# KiCad board poly_kb_molecule_5x4_wave.kicad_pcb (continued)
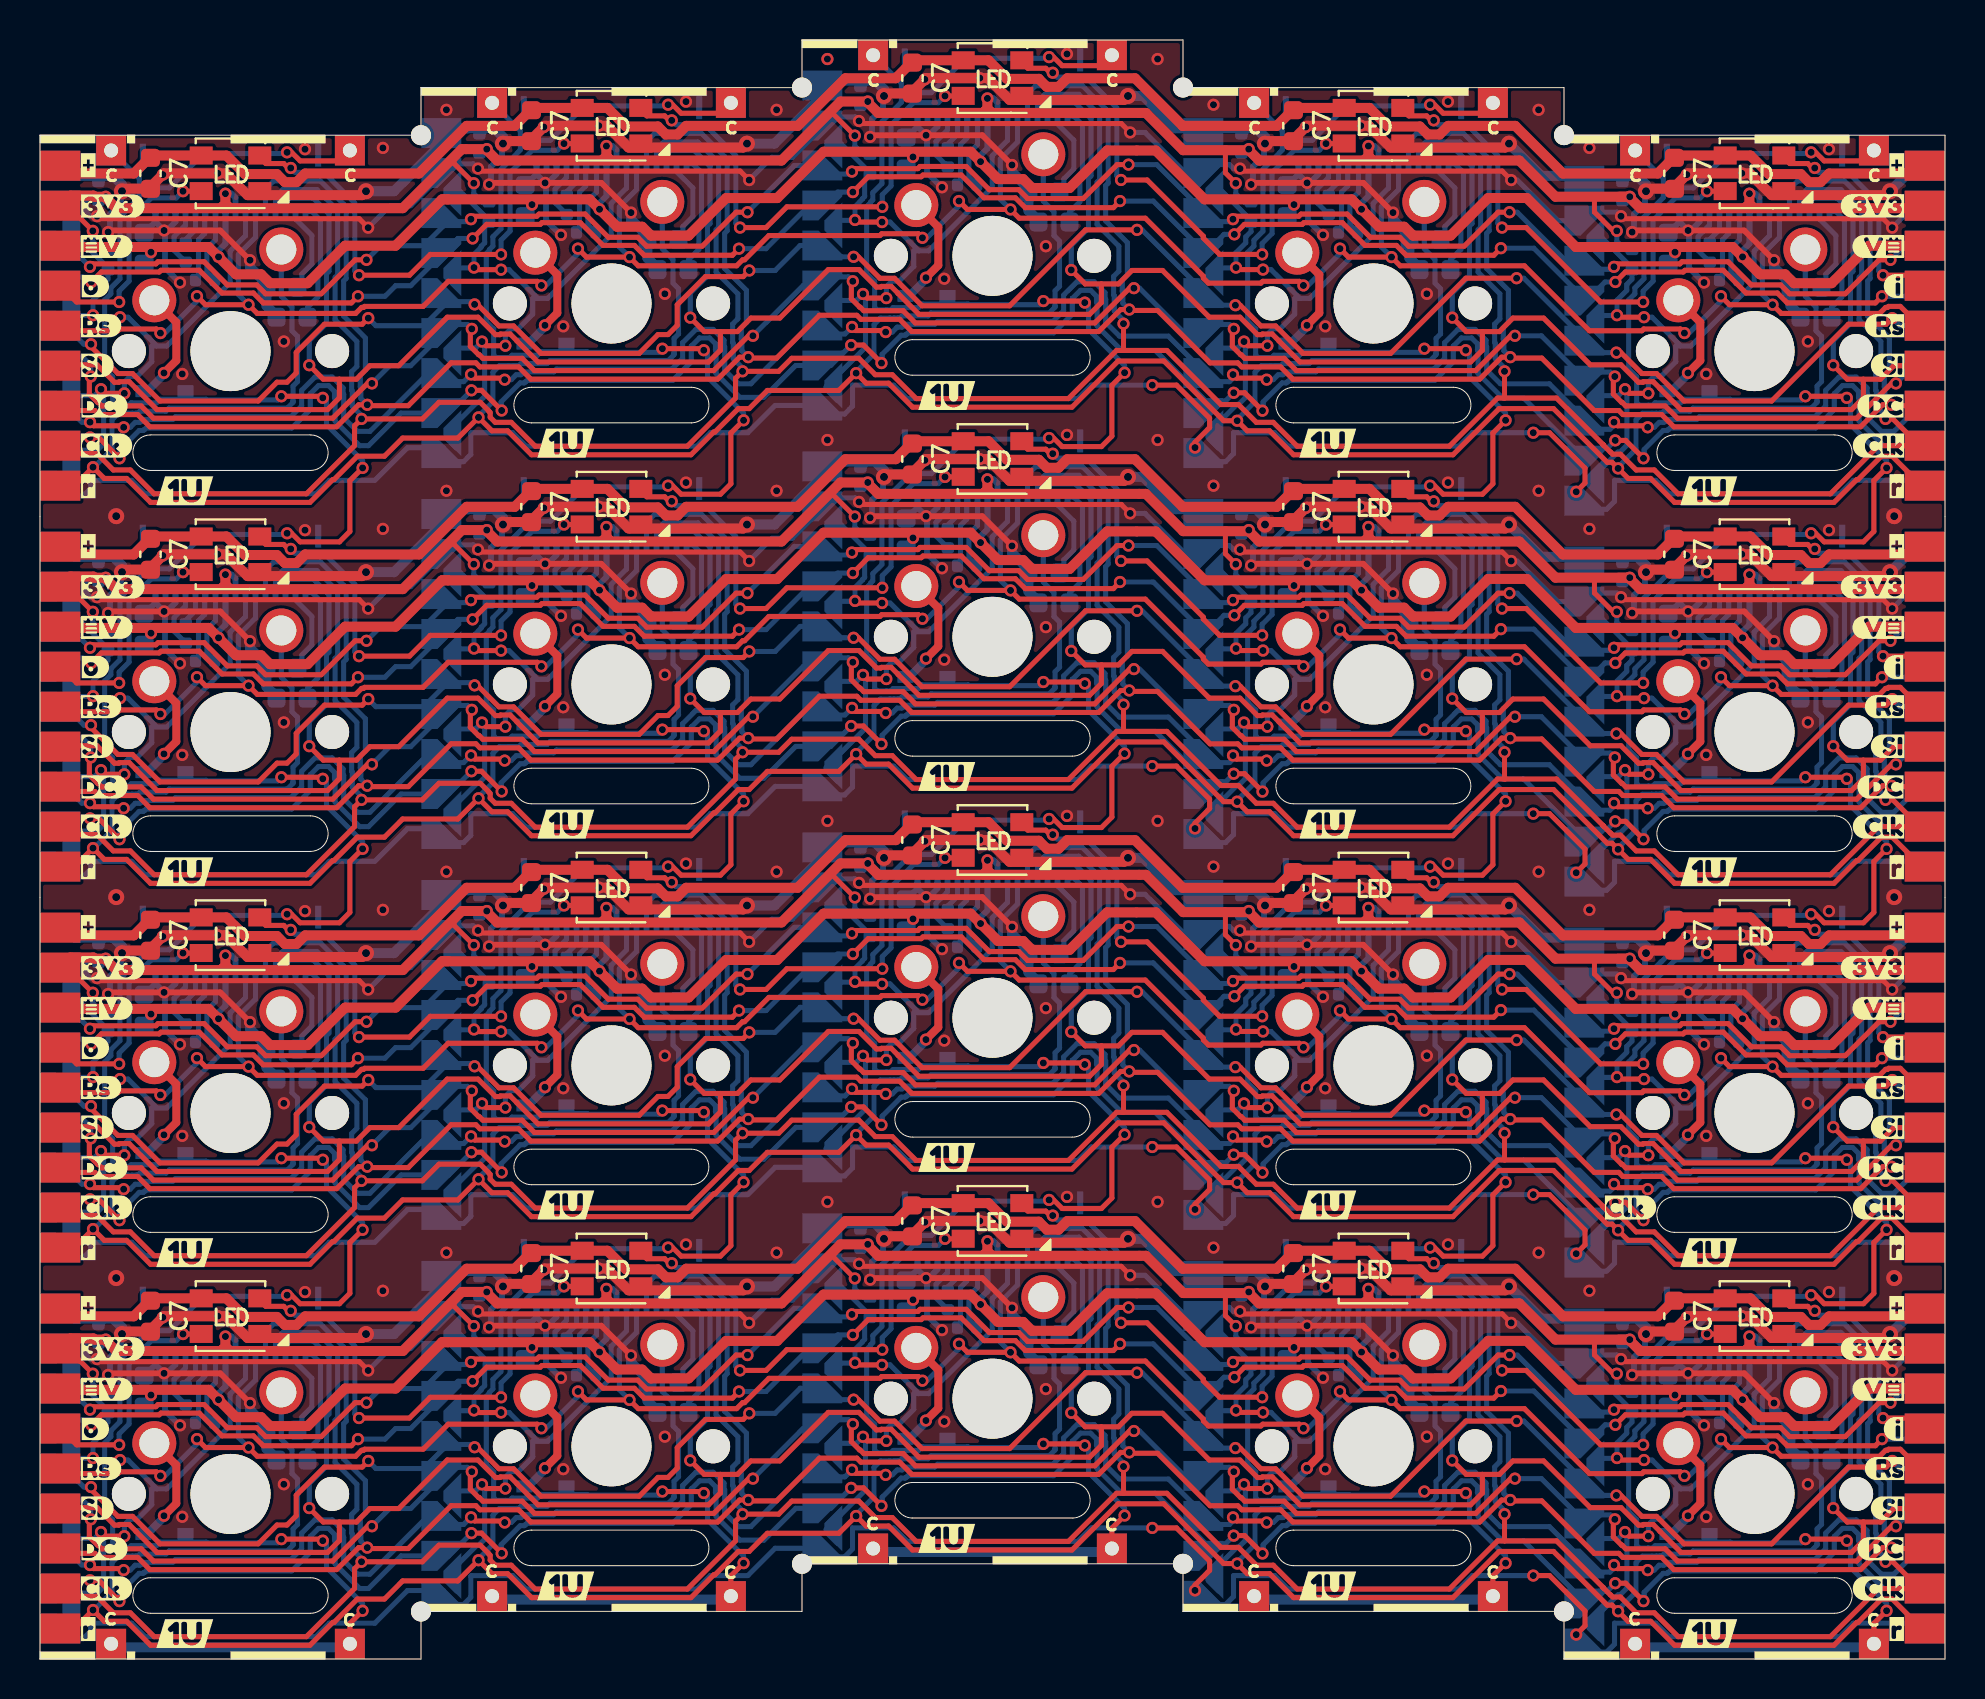
[diagram p0: board, top side]
## Routing (per net, layer and track width the routed paths; a pad name or vN(x,y) marks a point on that pad's centre or on a via; arc(x,y) is an arc through that point) (continued)
/Keyboard/sheet605ED2EB/LED_DIN: length 511.1
  Top w0.254: v1(42.11,15.47) 37.34,15.47 36.3,14.43 v1(35,14.43) ; v1(45.25,40.06) 46.16,40.06 LED1#20.2 ; v1(88.74,17.41) 88.61,17.41 88.39,17.64 87.49,17.64 87.09,18.03 ; v1(42.11,72.62) 37.34,72.62 36.3,71.58 v1(35,71.58) ; v1(64.3,18.63) 65.21,18.63 LED1#10.2 ; v1(54.05,73.96) 55.35,73.96 58.17,71.15 58.17,71.06 58.98,70.24 v1(61.11,70.24) ; v1(42.11,34.52) 37.34,34.52 36.3,33.48 v1(35,33.48) ; v1(35,52.53) 36.3,52.53 37.34,53.57 v1(42.11,53.57) ; LED1#15.2 27.1,75.78 v1(26.2,75.78) ; v1(15.95,31.1) 18.48,31.1 19.51,32.14 v1(23.05,32.14) ; LED1#18.2 84.25,35.3 v1(83.35,35.3) ; v1(7.15,16.25) 8.05,16.25 LED1#16.2 ; LED1#12.2 46.16,21.01 v1(45.25,21.01) ; v1(7.15,73.4) 8.05,73.4 LED1.2 ; v1(69.69,19.79) 69.56,19.79 69.34,20.02 68.44,20.02 68.04,20.42 ; v1(69.69,76.94) 69.56,76.94 69.34,77.17 68.44,77.17 68.04,77.57 ; 48.99,60.9 49.39,60.5 50.29,60.5 50.51,60.27 v1(50.64,60.27) ; v1(64.3,37.68) 65.21,37.68 LED1#14.2 ; J3#3.4 1.83,48.81 v1(3.96,48.81) ; 68.04,58.52 68.44,58.12 69.34,58.12 69.56,57.89 v1(69.69,57.89) ; v1(50.64,41.22) 50.51,41.22 50.29,41.45 49.39,41.45 48.99,41.85 ; v1(80.16,48.81) 78.03,48.81 74.31,52.53 v1(73.1,52.53) ; v1(61.11,51.19) 58.98,51.19 58.17,52.01 58.17,52.1 55.35,54.91 v1(54.05,54.91) ; v1(15.95,50.15) 18.48,50.15 19.51,51.19 v1(23.05,51.19) ; v1(69.69,38.84) 69.56,38.84 69.34,39.07 68.44,39.07 68.04,39.47 ; v1(45.25,59.11) 46.16,59.11 LED1#8.2 ; v1(26.2,18.63) 27.1,18.63 LED1#13.2 ; v1(12.54,17.41) 12.41,17.41 12.19,17.64 11.29,17.64 10.89,18.03 ; v1(3.96,10.71) 1.83,10.71 J3#2.4 ; 29.94,39.47 30.34,39.07 31.24,39.07 31.46,38.84 v1(31.59,38.84) ; 93.98,11.53 93.45,12.05 v1(92.15,12.05) ; v1(61.11,32.14) 58.98,32.14 58.17,32.96 58.17,33.05 55.35,35.86 v1(54.05,35.86) ; 48.99,22.8 49.39,22.4 50.29,22.4 50.51,22.17 v1(50.64,22.17) ; v1(88.74,55.51) 88.61,55.51 88.39,55.74 87.49,55.74 87.09,56.13 ; v1(12.54,36.46) 12.41,36.46 12.19,36.69 11.29,36.69 10.89,37.08 ; v1(54.05,16.81) 55.35,16.81 58.17,14 58.17,13.91 58.98,13.09 v1(61.11,13.09) ; J3#4.4 1.83,29.76 v1(3.96,29.76) ; 93.98,68.67 93.45,69.2 v1(92.15,69.2) ; LED1#11.2 27.1,56.73 v1(26.2,56.73) ; v1(88.74,74.56) 88.61,74.56 88.39,74.79 87.49,74.79 87.09,75.19 ; LED1#2.2 84.25,73.4 v1(83.35,73.4) ; v1(50.64,79.32) 50.51,79.32 50.29,79.55 49.39,79.55 48.99,79.95 ; v1(73.1,14.43) 74.31,14.43 78.03,10.71 v1(80.16,10.71) ; J3.4 1.83,67.86 v1(3.96,67.86) ; v1(92.15,31.1) 93.45,31.1 93.98,30.58 ; v1(23.05,70.24) 19.51,70.24 18.48,69.2 v1(15.95,69.2) ; LED1#19.2 8.05,54.35 v1(7.15,54.35) ; v1(73.1,71.58) 74.31,71.58 78.03,67.86 v1(80.16,67.86) ; LED1#5.2 84.25,16.25 v1(83.35,16.25) ; LED1#4.2 84.25,54.35 v1(83.35,54.35) ; v1(7.15,35.3) 8.05,35.3 LED1#3.2 ; v1(23.05,13.09) 19.51,13.09 18.48,12.05 v1(15.95,12.05) ; 29.94,77.57 30.34,77.17 31.24,77.17 31.46,76.94 v1(31.59,76.94) ; 10.89,56.13 11.29,55.74 12.19,55.74 12.41,55.51 v1(12.54,55.51) ; v1(31.59,19.79) 31.46,19.79 31.24,20.02 30.34,20.02 29.94,20.42 ; v1(12.54,74.56) 12.41,74.56 12.19,74.79 11.29,74.79 10.89,75.19 ; v1(31.59,57.89) 31.46,57.89 31.24,58.12 30.34,58.12 29.94,58.52 ; LED1#9.2 46.16,78.16 v1(45.25,78.16) ; v1(92.15,50.15) 93.45,50.15 93.98,49.62 ; 87.09,37.08 87.49,36.69 88.39,36.69 88.61,36.46 v1(88.74,36.46) ; LED1#6.2 65.21,56.73 v1(64.3,56.73) ; LED1#7.2 27.1,37.68 v1(26.2,37.68) ; v1(80.16,29.76) 78.03,29.76 74.31,33.48 v1(73.1,33.48) ; v1(64.3,75.78) 65.21,75.78 LED1#17.2
  Bottom w0.254: v1(92.15,50.15) 91.94,50.36 91.94,53.75 90.4,55.29 88.96,55.29 v1(88.74,55.51) ; v1(50.64,60.27) 50.86,60.06 52.3,60.06 53.84,58.51 53.84,55.12 v1(54.05,54.91) ; v1(69.69,19.79) 69.91,19.58 71.35,19.58 72.89,18.03 72.89,14.64 v1(73.1,14.43) ; v1(35,14.43) 34.79,14.64 34.79,18.03 33.25,19.58 31.81,19.58 v1(31.59,19.79) ; v1(3.96,10.71) 3.96,11.26 4.45,11.75 4.45,14.8 5.57,15.92 6.82,15.92 v1(7.15,16.25) ; v1(73.1,71.58) 72.89,71.79 72.89,75.18 71.35,76.73 69.91,76.73 v1(69.69,76.94) ; v1(92.15,69.2) 91.94,69.41 91.94,72.8 90.4,74.34 88.96,74.34 v1(88.74,74.56) ; v1(80.16,67.86) 80.16,68.41 80.65,68.9 80.65,71.95 81.77,73.07 83.02,73.07 v1(83.35,73.4) ; v1(15.95,31.1) 15.74,31.31 15.74,34.7 14.2,36.24 12.76,36.24 v1(12.54,36.46) ; v1(50.64,41.22) 50.86,41.01 52.3,41.01 53.84,39.46 53.84,36.07 v1(54.05,35.86) ; v1(26.2,18.63) 25.87,18.3 24.62,18.3 23.5,17.18 23.5,14.26 23.05,13.81 v1(23.05,13.09) ; v1(61.11,70.24) 61.11,70.79 61.6,71.28 61.6,74.33 62.72,75.45 63.97,75.45 v1(64.3,75.78) ; v1(7.15,35.3) 6.82,34.97 5.57,34.97 4.45,33.85 4.45,30.8 3.96,30.31 v1(3.96,29.76) ; v1(92.15,31.1) 91.94,31.31 91.94,34.7 90.4,36.24 88.96,36.24 v1(88.74,36.46) ; v1(45.25,21.01) 44.92,20.68 43.67,20.68 42.55,19.56 42.55,16.51 42.11,16.08 v1(42.11,15.47) ; v1(23.05,51.19) 23.05,51.91 23.5,52.36 23.5,55.28 24.62,56.4 25.87,56.4 v1(26.2,56.73) ; v1(23.05,32.14) 23.05,32.86 23.5,33.31 23.5,36.23 24.62,37.35 25.87,37.35 v1(26.2,37.68) ; v1(3.96,48.81) 3.96,49.36 4.45,49.85 4.45,52.9 5.57,54.02 6.82,54.02 v1(7.15,54.35) ; v1(12.54,17.41) 12.76,17.19 14.2,17.19 15.74,15.65 15.74,12.26 v1(15.95,12.05) ; v1(83.35,16.25) 83.02,15.92 81.77,15.92 80.65,14.8 80.65,11.75 80.16,11.26 v1(80.16,10.71) ; v1(61.11,13.09) 61.11,13.64 61.6,14.13 61.6,17.18 62.72,18.3 63.97,18.3 v1(64.3,18.63) ; v1(54.05,73.96) 53.84,74.17 53.84,77.56 52.3,79.11 50.86,79.11 v1(50.64,79.32) ; v1(12.54,74.56) 12.76,74.34 14.2,74.34 15.74,72.8 15.74,69.41 v1(15.95,69.2) ; v1(45.25,78.16) 44.92,77.83 43.67,77.83 42.55,76.71 42.55,73.66 42.11,73.23 v1(42.11,72.62) ; v1(92.15,12.05) 91.94,12.26 91.94,15.65 90.4,17.19 88.96,17.19 v1(88.74,17.41) ; v1(3.96,67.86) 3.96,68.41 4.45,68.9 4.45,71.95 5.57,73.07 6.82,73.07 v1(7.15,73.4) ; v1(26.2,75.78) 25.87,75.45 24.62,75.45 23.5,74.33 23.5,71.41 23.05,70.96 v1(23.05,70.24) ; v1(31.59,57.89) 31.81,57.68 33.25,57.68 34.79,56.13 34.79,52.74 v1(35,52.53) ; v1(73.1,52.53) 72.89,52.74 72.89,56.13 71.35,57.68 69.91,57.68 v1(69.69,57.89) ; v1(45.25,59.11) 44.92,58.78 43.67,58.78 42.55,57.66 42.55,54.61 42.11,54.18 v1(42.11,53.57) ; v1(73.1,33.48) 72.89,33.69 72.89,37.08 71.35,38.63 69.91,38.63 v1(69.69,38.84) ; v1(64.3,56.73) 63.97,56.4 62.72,56.4 61.6,55.28 61.6,52.23 61.11,51.74 v1(61.11,51.19) ; v1(35,33.48) 34.79,33.69 34.79,37.08 33.25,38.63 31.81,38.63 v1(31.59,38.84) ; v1(42.11,34.52) 42.11,35.13 42.55,35.56 42.55,38.61 43.67,39.73 44.92,39.73 v1(45.25,40.06) ; v1(54.05,16.81) 53.84,17.02 53.84,20.41 52.3,21.96 50.86,21.96 v1(50.64,22.17) ; v1(31.59,76.94) 31.81,76.73 33.25,76.73 34.79,75.18 34.79,71.79 v1(35,71.58) ; v1(80.16,29.76) 80.16,30.31 80.65,30.8 80.65,33.85 81.77,34.97 83.02,34.97 v1(83.35,35.3) ; v1(15.95,50.15) 15.74,50.36 15.74,53.75 14.2,55.29 12.76,55.29 v1(12.54,55.51) ; v1(61.11,32.14) 61.11,32.69 61.6,33.18 61.6,36.23 62.72,37.35 63.97,37.35 v1(64.3,37.68) ; v1(80.16,48.81) 80.16,49.36 80.65,49.85 80.65,52.9 81.77,54.02 83.02,54.02 v1(83.35,54.35)
/Keyboard/sheet605ED2EB/RESET: length 522.8
  Top w0.254: v1(63.17,68.69) 62.97,68.89 61.14,68.89 61.05,68.8 58.42,68.8 58.17,69.06 58.17,69.15 55.27,72.05 48.96,72.05 v1(48.53,72.49) 46.37,72.49 v1(45.95,72.91) ; v1(82.22,47.26) 82.02,47.46 80.19,47.46 80.1,47.37 77.47,47.37 74.22,50.62 68.01,50.62 v1(67.58,51.06) 65.42,51.06 v1(65,51.48) ; v1(25.07,49.64) 24.87,49.84 20.41,49.84 19.16,48.59 16.23,48.59 16.18,48.54 16.08,48.54 15.78,48.24 10.86,48.24 v1(10.43,48.67) 8.27,48.67 v1(7.85,49.1) ; v1(25.07,30.59) 24.87,30.79 20.41,30.79 19.16,29.54 16.23,29.54 16.18,29.49 16.08,29.49 15.78,29.19 10.86,29.19 v1(10.43,29.62) 8.27,29.62 v1(7.85,30.05) ; v1(84.05,49.1) 84.47,48.67 v1(86.63,48.67) 87.06,48.24 91.98,48.24 92.28,48.54 92.38,48.54 92.43,48.59 93.01,48.59 93.98,47.62 ; v1(63.17,11.54) 62.97,11.74 61.14,11.74 61.05,11.65 58.42,11.65 58.17,11.91 58.17,12 55.27,14.9 48.96,14.9 v1(48.53,15.34) 46.37,15.34 v1(45.95,15.76) ; v1(6.02,47.26) 5.82,47.46 3.99,47.46 3.9,47.37 1.27,47.37 J3#3.5 ; v1(82.22,66.31) 82.02,66.51 80.19,66.51 80.1,66.42 77.47,66.42 74.22,69.67 68.01,69.67 v1(67.58,70.11) 65.42,70.11 v1(65,70.53) ; v1(82.22,9.16) 82.02,9.36 80.19,9.36 80.1,9.27 77.47,9.27 74.22,12.52 68.01,12.52 v1(67.58,12.96) 65.42,12.96 v1(65,13.38) ; v1(6.02,9.16) 5.82,9.36 3.99,9.36 3.9,9.27 1.27,9.27 J3#2.5 ; J3#4.5 1.27,28.32 3.9,28.32 3.99,28.41 5.82,28.41 v1(6.02,28.21) ; 93.98,28.58 93.01,29.54 92.43,29.54 92.38,29.49 92.28,29.49 91.98,29.19 87.06,29.19 v1(86.63,29.62) 84.47,29.62 v1(84.05,30.05) ; v1(25.07,68.69) 24.87,68.89 20.41,68.89 19.16,67.64 16.23,67.64 16.18,67.59 16.08,67.59 15.78,67.29 10.86,67.29 v1(10.43,67.72) 8.27,67.72 v1(7.85,68.15) ; 93.98,66.67 93.01,67.64 92.43,67.64 92.38,67.59 92.28,67.59 91.98,67.29 87.06,67.29 v1(86.63,67.72) 84.47,67.72 v1(84.05,68.15) ; v1(26.9,70.53) 27.32,70.11 v1(29.48,70.11) 29.91,69.67 34.83,69.67 35.13,69.97 35.23,69.97 36.44,71.18 42,71.18 42.09,71.27 43.92,71.27 v1(44.12,71.07) ; 93.98,9.53 93.01,10.49 92.43,10.49 92.38,10.44 92.28,10.44 91.98,10.14 87.06,10.14 v1(86.63,10.57) 84.47,10.57 v1(84.05,11) ; v1(65,32.43) 65.42,32.01 v1(67.58,32.01) 68.01,31.57 74.22,31.57 77.47,28.32 80.1,28.32 80.19,28.41 82.02,28.41 v1(82.22,28.21) ; v1(45.95,53.86) 46.37,53.44 v1(48.53,53.44) 48.96,53 55.27,53 58.17,50.1 58.17,50.01 58.42,49.75 61.05,49.75 61.14,49.84 62.97,49.84 v1(63.17,49.64) ; v1(44.12,32.97) 43.92,33.17 42.09,33.17 42,33.08 36.44,33.08 35.23,31.87 35.13,31.87 34.83,31.57 29.91,31.57 v1(29.48,32.01) 27.32,32.01 v1(26.9,32.43) ; v1(44.12,52.02) 43.92,52.22 42.09,52.22 42,52.13 36.44,52.13 35.23,50.92 35.13,50.92 34.83,50.62 29.91,50.62 v1(29.48,51.06) 27.32,51.06 v1(26.9,51.48) ; v1(26.9,13.38) 27.32,12.96 v1(29.48,12.96) 29.91,12.52 34.83,12.52 35.13,12.82 35.23,12.82 36.44,14.03 42,14.03 42.09,14.12 43.92,14.12 v1(44.12,13.92) ; v1(6.02,66.31) 5.82,66.51 3.99,66.51 3.9,66.42 1.27,66.42 J3.5 ; v1(25.07,11.54) 24.87,11.74 20.41,11.74 19.16,10.49 16.23,10.49 16.18,10.44 16.08,10.44 15.78,10.14 10.86,10.14 v1(10.43,10.57) 8.27,10.57 v1(7.85,11) ; v1(45.95,34.81) 46.37,34.39 v1(48.53,34.39) 48.96,33.95 55.27,33.95 58.17,31.05 58.17,30.96 58.42,30.7 61.05,30.7 61.14,30.79 62.97,30.79 v1(63.17,30.59)
  Bottom w0.254: J1#3.11 48.88,56.81 48.02,55.95 48.02,53.95 v1(48.53,53.44) ; v1(84.05,11) 84.05,10.75 82.45,9.16 v1(82.22,9.16) ; v1(82.22,28.21) 82.45,28.21 84.05,29.8 v1(84.05,30.05) ; v1(48.53,72.49) 48.02,73 48.02,75 48.88,75.86 J1#4.11 ; v1(48.53,15.34) 48.02,15.85 48.02,17.85 48.88,18.71 J1#16.11 ; v1(25.07,11.54) 25.3,11.54 26.9,13.14 v1(26.9,13.38) ; J1#6.11 86.97,71.1 86.12,70.24 86.12,68.23 v1(86.63,67.72) ; J1#10.11 29.83,16.33 28.97,15.47 28.97,13.47 v1(29.48,12.96) ; v1(6.02,28.21) 6.25,28.21 7.85,29.8 v1(7.85,30.05) ; v1(67.58,32.01) 67.07,32.52 67.07,34.52 67.93,35.38 J1#8.11 ; v1(29.48,70.11) 28.97,70.62 28.97,72.62 29.83,73.48 J1#12.11 ; v1(10.43,67.72) 9.92,68.23 9.92,70.24 10.77,71.1 10.77,72.39 ; v1(7.85,11) 7.85,10.75 6.25,9.16 v1(6.02,9.16) ; v1(86.63,48.67) 86.12,49.18 86.12,51.19 86.97,52.05 J1#18.11 ; v1(45.95,15.76) 45.95,15.52 44.35,13.92 v1(44.12,13.92) ; v1(67.58,51.06) 67.07,51.57 67.07,53.57 67.93,54.43 J1#2.11 ; v1(25.07,49.64) 25.3,49.64 26.9,51.24 v1(26.9,51.48) ; v1(44.12,52.02) 44.35,52.02 45.95,53.62 v1(45.95,53.86) ; v1(82.22,66.31) 82.45,66.31 84.05,67.9 v1(84.05,68.15) ; v1(86.63,10.57) 86.12,11.08 86.12,13.09 86.97,13.95 J1#19.11 ; v1(63.17,30.59) 63.4,30.59 65,32.19 v1(65,32.43) ; v1(26.9,32.43) 26.9,32.19 25.3,30.59 v1(25.07,30.59) ; v1(6.02,47.26) 6.25,47.26 7.85,48.85 v1(7.85,49.1) ; 10.77,34.29 10.77,33 9.92,32.14 9.92,30.13 v1(10.43,29.62) ; v1(65,70.53) 65,70.29 63.4,68.69 v1(63.17,68.69) ; J1#17.11 67.93,73.48 67.07,72.62 67.07,70.62 v1(67.58,70.11) ; v1(10.43,48.67) 9.92,49.18 9.92,51.19 10.77,52.05 10.77,53.34 ; J1#20.11 29.83,54.43 28.97,53.57 28.97,51.57 v1(29.48,51.06) ; v1(65,13.38) 65,13.14 63.4,11.54 v1(63.17,11.54) ; v1(82.22,47.26) 82.45,47.26 84.05,48.85 v1(84.05,49.1) ; v1(10.43,10.57) 9.92,11.08 9.92,13.09 10.77,13.95 10.77,15.24 ; v1(29.48,32.01) 28.97,32.52 28.97,34.52 29.83,35.38 J1#5.11 ; v1(48.53,34.39) 48.02,34.9 48.02,36.9 48.88,37.76 J1#9.11 ; v1(6.02,66.31) 6.25,66.31 7.85,67.9 v1(7.85,68.15) ; v1(26.9,70.53) 26.9,70.29 25.3,68.69 v1(25.07,68.69) ; v1(65,51.48) 65,51.24 63.4,49.64 v1(63.17,49.64) ; v1(45.95,34.81) 45.95,34.57 44.35,32.97 v1(44.12,32.97) ; v1(67.58,12.96) 67.07,13.47 67.07,15.47 67.93,16.33 J1#13.11 ; v1(44.12,71.07) 44.35,71.07 45.95,72.67 v1(45.95,72.91) ; J1#14.11 86.97,33 86.12,32.14 86.12,30.13 v1(86.63,29.62)
/Keyboard/sheet605ED2EB/SCLK: length 763.8
  Top w0.25: 73.23,24.96 73.23,24.96 v1(73.23,26.29) ; 54.16,8.29 54.18,8.31 v1(54.18,9.63) ; 54.16,27.34 54.18,27.36 v1(54.18,28.68) ; 54.16,46.39 54.18,46.41 v1(54.18,47.73) ; v1(54.18,66.78) 54.18,65.46 54.16,65.44 ; v1(73.23,64.39) 73.23,63.06 73.23,63.06 ; v1(73.23,45.34) 73.23,44.01 73.23,44.01 ; 73.23,5.91 73.23,5.91 v1(73.23,7.24)
  Top w0.254: v1(92.28,23.91) 92.64,23.91 93.98,22.58 ; 1.27,60.67 1.66,60.28 2.84,60.28 3.66,59.46 4.51,59.46 5.71,58.27 13.32,58.27 15.73,60.67 15.73,61.66 v1(16.08,62.01) 19.12,62.01 19.95,62.84 22.01,62.84 22.44,62.42 22.44,62.4 22.51,62.33 22.51,62.09 22.76,61.84 23.56,61.84 24.76,60.65 32.37,60.65 34.78,63.06 34.78,64.05 v1(35.13,64.39) 36.93,64.39 37.59,65.05 40.94,65.05 41.76,64.22 42.61,64.22 43.81,63.03 51.42,63.03 53.83,65.44 56.34,65.44 59.05,62.73 59.92,62.73 60.81,61.84 61.66,61.84 62.86,60.65 70.47,60.65 72.88,63.06 75.83,63.06 78.15,60.74 78.15,60.74 78.15,60.73 78.15,60.73 78.16,60.72 78.17,60.71 78.17,60.7 78.18,60.7 78.52,60.36 78.53,60.36 78.63,60.25 79.02,60.25 79.81,59.46 80.71,59.46 81.91,58.27 89.52,58.27 91.93,60.67 J4#4.8 ; v1(92.28,42.96) 92.64,42.96 93.98,41.62 ; 1.27,3.53 1.66,3.13 2.84,3.13 3.66,2.31 4.51,2.31 5.71,1.12 13.32,1.12 15.73,3.53 15.73,4.51 v1(16.08,4.86) 19.12,4.86 19.95,5.69 22.01,5.69 22.44,5.27 22.44,5.25 22.51,5.18 22.51,4.94 22.76,4.69 23.56,4.69 24.76,3.5 32.37,3.5 34.78,5.91 34.78,6.9 v1(35.13,7.24) 36.93,7.24 37.59,7.9 40.94,7.9 41.76,7.07 42.61,7.07 43.81,5.88 51.42,5.88 53.83,8.29 56.34,8.29 59.05,5.58 59.92,5.58 60.81,4.69 61.66,4.69 62.86,3.5 70.47,3.5 72.88,5.91 75.83,5.91 78.15,3.59 78.15,3.59 78.15,3.58 78.15,3.58 78.16,3.57 78.17,3.56 78.17,3.55 78.18,3.55 78.52,3.21 78.53,3.21 78.63,3.1 79.02,3.1 79.81,2.31 80.71,2.31 81.91,1.12 89.52,1.12 91.93,3.53 J4.8 ; 1.27,41.62 1.66,41.23 2.84,41.23 3.66,40.41 4.51,40.41 5.71,39.22 13.32,39.22 15.73,41.62 15.73,42.61 v1(16.08,42.96) 19.12,42.96 19.95,43.79 22.01,43.79 22.44,43.37 22.44,43.35 22.51,43.28 22.51,43.04 22.76,42.79 23.56,42.79 24.76,41.6 32.37,41.6 34.78,44.01 34.78,45 v1(35.13,45.34) 36.93,45.34 37.59,46 40.94,46 41.76,45.17 42.61,45.17 43.81,43.98 51.42,43.98 53.83,46.39 56.34,46.39 59.05,43.68 59.92,43.68 60.81,42.79 61.66,42.79 62.86,41.6 70.47,41.6 72.88,44.01 75.83,44.01 78.15,41.69 78.15,41.69 78.15,41.68 78.15,41.68 78.16,41.67 78.17,41.66 78.17,41.65 78.18,41.65 78.52,41.31 78.53,41.31 78.63,41.2 79.02,41.2 79.81,40.41 80.71,40.41 81.91,39.22 89.52,39.22 91.93,41.62 J4#3.8 ; v1(92.28,62.01) 92.64,62.01 93.98,60.67 ; 1.27,22.58 1.66,22.18 2.84,22.18 3.66,21.36 4.51,21.36 5.71,20.17 13.32,20.17 15.73,22.58 15.73,23.56 v1(16.08,23.91) 19.12,23.91 19.95,24.74 22.01,24.74 22.44,24.32 22.44,24.3 22.51,24.23 22.51,23.99 22.76,23.74 23.56,23.74 24.76,22.55 32.37,22.55 34.78,24.96 34.78,25.95 v1(35.13,26.29) 36.93,26.29 37.59,26.95 40.94,26.95 41.76,26.12 42.61,26.12 43.81,24.93 51.42,24.93 53.83,27.34 56.34,27.34 59.05,24.63 59.92,24.63 60.81,23.74 61.66,23.74 62.86,22.55 70.47,22.55 72.88,24.96 75.83,24.96 78.15,22.64 78.15,22.64 78.15,22.63 78.15,22.63 78.16,22.62 78.17,22.61 78.17,22.6 78.18,22.6 78.52,22.26 78.53,22.26 78.63,22.15 79.02,22.15 79.81,21.36 80.71,21.36 81.91,20.17 89.52,20.17 91.93,22.58 J4#2.8 ; 93.98,3.53 92.64,4.86 v1(92.28,4.86)
  Bottom w0.254: v1(54.18,28.68) 54.18,28.84 53.71,29.31 53.71,30.08 53.68,30.11 53.68,31.04 53.94,31.3 53.94,32.55 52.85,33.64 52.85,35.75 52.98,35.88 52.98,39.11 52.85,39.23 52.85,39.24 51.94,40.15 50.24,40.15 49.88,39.78 J1#9.13 ; J1#19.13 87.97,15.97 88.34,16.33 90.04,16.33 90.95,15.42 91.08,15.29 91.08,12.07 90.95,11.94 90.95,9.83 92.04,8.74 92.04,7.49 91.78,7.23 91.78,6.3 91.81,6.26 91.81,5.49 92.28,5.03 v1(92.28,4.86) ; J1#18.13 87.97,54.07 88.34,54.43 90.04,54.43 90.95,53.52 91.08,53.39 91.08,50.17 90.95,50.04 90.95,47.93 92.04,46.84 92.04,45.59 91.78,45.33 91.78,44.4 91.81,44.36 91.81,43.59 92.28,43.13 v1(92.28,42.96) ; v1(35.13,64.39) 35.13,64.56 34.66,65.02 34.66,65.8 34.63,65.83 34.63,66.76 34.89,67.02 34.89,68.27 33.8,69.36 33.8,71.47 33.93,71.6 33.93,74.82 33.8,74.95 32.89,75.87 31.19,75.87 30.83,75.5 J1#12.13 ; v1(16.08,23.91) 16.08,24.08 15.61,24.54 15.61,25.31 15.58,25.35 15.58,26.28 15.84,26.54 15.84,27.79 14.75,28.88 14.75,30.99 14.88,31.12 14.88,34.34 14.75,34.47 13.84,35.38 12.14,35.38 11.77,35.02 11.77,34.29 ; J1#2.13 68.93,56.45 69.29,56.82 70.99,56.82 71.9,55.9 72.03,55.77 72.03,52.55 71.9,52.42 71.9,50.31 72.99,49.22 72.99,47.97 72.73,47.71 72.73,46.78 72.76,46.75 72.76,45.97 73.23,45.51 v1(73.23,45.34) ; J1#20.13 30.83,56.45 31.19,56.82 32.89,56.82 33.8,55.9 33.93,55.77 33.93,52.55 33.8,52.42 33.8,50.31 34.89,49.22 34.89,47.97 34.63,47.71 34.63,46.78 34.66,46.75 34.66,45.97 35.13,45.51 v1(35.13,45.34) ; v1(92.28,62.01) 92.28,62.18 91.81,62.64 91.81,63.41 91.78,63.45 91.78,64.38 92.04,64.64 92.04,65.89 90.95,66.98 90.95,69.09 91.08,69.22 91.08,72.44 90.95,72.57 90.04,73.48 88.34,73.48 87.97,73.12 J1#6.13 ; v1(35.13,26.29) 35.13,26.46 34.66,26.92 34.66,27.7 34.63,27.73 34.63,28.66 34.89,28.92 34.89,30.17 33.8,31.26 33.8,33.37 33.93,33.5 33.93,36.72 33.8,36.85 32.89,37.77 31.19,37.77 30.83,37.4 J1#5.13 ; v1(73.23,7.24) 73.23,7.41 72.76,7.87 72.76,8.65 72.73,8.68 72.73,9.61 72.99,9.87 72.99,11.12 71.9,12.21 71.9,14.32 72.03,14.45 72.03,17.67 71.9,17.8 70.99,18.72 69.29,18.72 68.93,18.35 J1#13.13 ; J1#4.13 49.88,77.88 50.24,78.25 51.94,78.25 52.85,77.34 52.85,77.33 52.98,77.21 52.98,73.98 52.85,73.85 52.85,71.74 53.94,70.65 53.94,69.4 53.68,69.14 53.68,68.21 53.71,68.18 53.71,67.41 54.18,66.94 v1(54.18,66.78) ; J1#10.13 30.83,18.35 31.19,18.72 32.89,18.72 33.8,17.8 33.93,17.67 33.93,14.45 33.8,14.32 33.8,12.21 34.89,11.12 34.89,9.87 34.63,9.61 34.63,8.68 34.66,8.65 34.66,7.87 35.13,7.41 v1(35.13,7.24) ; v1(73.23,64.39) 73.23,64.56 72.76,65.02 72.76,65.8 72.73,65.83 72.73,66.76 72.99,67.02 72.99,68.27 71.9,69.36 71.9,71.47 72.03,71.6 72.03,74.82 71.9,74.95 70.99,75.87 69.29,75.87 68.93,75.5 J1#17.13 ; 11.77,15.24 11.77,15.97 12.14,16.33 13.84,16.33 14.75,15.42 14.88,15.29 14.88,12.07 14.75,11.94 14.75,9.83 15.84,8.74 15.84,7.49 15.58,7.23 15.58,6.3 15.61,6.26 15.61,5.49 16.08,5.03 v1(16.08,4.86) ; v1(54.18,9.63) 54.18,9.79 53.71,10.26 53.71,11.03 53.68,11.06 53.68,11.99 53.94,12.25 53.94,13.5 52.85,14.59 52.85,16.7 52.98,16.83 52.98,20.06 52.85,20.18 52.85,20.19 51.94,21.1 50.24,21.1 49.88,20.73 J1#16.13 ; J1#8.13 68.93,37.4 69.29,37.77 70.99,37.77 71.9,36.85 72.03,36.72 72.03,33.5 71.9,33.37 71.9,31.26 72.99,30.17 72.99,28.92 72.73,28.66 72.73,27.73 72.76,27.7 72.76,26.92 73.23,26.46 v1(73.23,26.29) ; v1(92.28,23.91) 92.28,24.08 91.81,24.54 91.81,25.31 91.78,25.35 91.78,26.28 92.04,26.54 92.04,27.79 90.95,28.88 90.95,30.99 91.08,31.12 91.08,34.34 90.95,34.47 90.04,35.38 88.34,35.38 87.97,35.02 J1#14.13 ; 11.77,53.34 11.77,54.07 12.14,54.43 13.84,54.43 14.75,53.52 14.88,53.39 14.88,50.17 14.75,50.04 14.75,47.93 15.84,46.84 15.84,45.59 15.58,45.33 15.58,44.4 15.61,44.36 15.61,43.59 16.08,43.13 v1(16.08,42.96) ; v1(16.08,62.01) 16.08,62.18 15.61,62.64 15.61,63.41 15.58,63.45 15.58,64.38 15.84,64.64 15.84,65.89 14.75,66.98 14.75,69.09 14.88,69.22 14.88,72.44 14.75,72.57 13.84,73.48 12.14,73.48 11.77,73.12 11.77,72.39 ; J1#3.13 49.88,58.83 50.24,59.2 51.94,59.2 52.85,58.29 52.85,58.28 52.98,58.16 52.98,54.93 52.85,54.8 52.85,52.69 53.94,51.6 53.94,50.35 53.68,50.09 53.68,49.16 53.71,49.13 53.71,48.36 54.18,47.89 v1(54.18,47.73)
/Keyboard/sheet605ED2EB/SDIN: length 691.6
  Top w0.254: 14.97,44.95 14.97,44.02 14.38,43.43 5.85,43.43 4.8,44.48 4.8,44.49 4.46,44.83 3.98,44.83 3.94,44.79 3.72,44.79 2.85,45.67 1.31,45.67 1.27,45.62 ; 14.97,44.95 14.16,44.95 v1(13.46,45.65) ; 14.97,44.95 15.82,44.95 16.5,45.62 17.94,45.62 20.36,48.05 21.9,48.05 22.77,47.18 22.99,47.18 23.03,47.21 23.51,47.21 23.85,46.87 23.85,46.86 24.9,45.81 33.43,45.81 34.02,46.4 34.02,47.33 ; 1.27,7.53 1.31,7.57 2.85,7.57 3.72,6.69 3.94,6.69 3.98,6.73 4.46,6.73 4.8,6.39 4.8,6.38 5.85,5.33 14.38,5.33 14.97,5.92 14.97,6.85 ; 14.97,25.9 15.82,25.9 16.5,26.58 17.94,26.58 20.36,29 21.9,29 22.77,28.13 22.99,28.13 23.03,28.16 23.51,28.16 23.85,27.82 23.85,27.81 24.9,26.76 33.43,26.76 34.02,27.35 34.02,28.28 ; 14.97,25.9 14.97,24.97 14.38,24.38 5.85,24.38 4.8,25.43 4.8,25.44 4.46,25.78 3.98,25.78 3.94,25.74 3.72,25.74 2.85,26.62 1.31,26.62 1.27,26.58 ; 14.97,25.9 14.16,25.9 v1(13.46,26.6) ; 91.17,25.9 90.36,25.9 v1(89.66,26.6) ; 91.17,25.9 92.02,25.9 92.7,26.58 93.98,26.58 ; 91.17,25.9 91.17,24.97 90.58,24.38 82.05,24.38 81,25.43 81,25.44 80.66,25.78 80.18,25.78 80.14,25.74 79.92,25.74 79.05,26.62 77.51,26.62 75.18,28.96 73.65,28.96 72.97,28.28 72.12,28.28 ; 53.07,49.71 53.92,49.71 54.6,50.39 56.13,50.39 58.46,48.05 60,48.05 60.87,47.18 61.09,47.18 61.13,47.21 61.61,47.21 61.95,46.87 61.95,46.86 63,45.81 71.53,45.81 72.12,46.4 72.12,47.33 ; 53.07,49.71 53.07,48.78 52.48,48.19 43.95,48.19 42.9,49.24 42.9,49.25 42.56,49.59 42.08,49.59 42.04,49.56 41.82,49.56 40.95,50.43 39.41,50.43 36.99,48.01 35.55,48.01 34.87,47.33 34.02,47.33 ; 53.07,49.71 52.26,49.71 v1(51.56,50.41) ; 91.17,64 90.36,64 v1(89.66,64.7) ; 91.17,64 92.02,64 92.7,64.67 93.98,64.67 ; 91.17,64 91.17,63.07 90.58,62.48 82.05,62.48 81,63.53 81,63.54 80.66,63.88 80.18,63.88 80.14,63.84 79.92,63.84 79.05,64.72 77.51,64.72 75.18,67.06 73.65,67.06 72.97,66.38 72.12,66.38 ; v1(32.51,48.03) 33.21,47.33 34.02,47.33 ; v1(32.51,28.98) 33.21,28.28 34.02,28.28 ; v1(89.66,45.65) 90.36,44.95 91.17,44.95 ; 53.07,11.61 53.07,10.68 52.48,10.09 43.95,10.09 42.9,11.14 42.9,11.15 42.56,11.49 42.08,11.49 42.04,11.46 41.82,11.46 40.95,12.33 39.41,12.33 36.99,9.91 35.55,9.91 34.87,9.23 34.02,9.23 ; 53.07,11.61 53.92,11.61 54.6,12.29 56.13,12.29 58.46,9.95 60,9.95 60.87,9.08 61.09,9.08 61.13,9.11 61.61,9.11 61.95,8.77 61.95,8.76 63,7.71 71.53,7.71 72.12,8.3 72.12,9.23 ; 53.07,11.61 52.26,11.61 v1(51.56,12.31) ; 91.17,44.95 92.02,44.95 92.7,45.62 93.98,45.62 ; 91.17,44.95 91.17,44.02 90.58,43.43 82.05,43.43 81,44.48 81,44.49 80.66,44.83 80.18,44.83 80.14,44.79 79.92,44.79 79.05,45.67 77.51,45.67 75.18,48.01 73.65,48.01 72.97,47.33 72.12,47.33 ; 34.02,28.28 34.87,28.28 35.55,28.96 36.99,28.96 39.41,31.38 40.95,31.38 41.82,30.51 42.04,30.51 42.08,30.54 42.56,30.54 42.9,30.2 42.9,30.19 43.95,29.14 52.48,29.14 53.07,29.73 53.07,30.66 ; 53.07,30.66 53.92,30.66 54.6,31.34 56.13,31.34 58.46,29 60,29 60.87,28.13 61.09,28.13 61.13,28.16 61.61,28.16 61.95,27.82 61.95,27.81 63,26.76 71.53,26.76 72.12,27.35 72.12,28.28 ; 53.07,30.66 52.26,30.66 v1(51.56,31.36) ; 53.07,68.76 53.07,67.83 52.48,67.24 43.95,67.24 42.9,68.29 42.9,68.3 42.56,68.64 42.08,68.64 42.04,68.61 41.82,68.61 40.95,69.48 39.41,69.48 36.99,67.06 35.55,67.06 34.87,66.38 34.02,66.38 ; 53.07,68.76 52.26,68.76 v1(51.56,69.46) ; 53.07,68.76 53.92,68.76 54.6,69.44 56.13,69.44 58.46,67.1 60,67.1 60.87,66.23 61.09,66.23 61.13,66.26 61.61,66.26 61.95,65.92 61.95,65.91 63,64.86 71.53,64.86 72.12,65.45 72.12,66.38 ; 34.02,66.38 33.21,66.38 v1(32.51,67.08) ; 34.02,66.38 34.02,65.45 33.43,64.86 24.9,64.86 23.85,65.91 23.85,65.92 23.51,66.26 23.03,66.26 22.99,66.23 22.77,66.23 21.9,67.1 20.36,67.1 17.94,64.67 16.5,64.67 15.82,64 14.97,64 ; v1(70.61,67.08) 71.31,66.38 72.12,66.38 ; 91.17,6.85 90.36,6.85 v1(89.66,7.55) ; 91.17,6.85 92.02,6.85 92.7,7.53 93.98,7.53 ; 91.17,6.85 91.17,5.92 90.58,5.33 82.05,5.33 81,6.38 81,6.39 80.66,6.73 80.18,6.73 80.14,6.69 79.92,6.69 79.05,7.57 77.51,7.57 75.18,9.91 73.65,9.91 72.97,9.23 72.12,9.23 ; 72.12,28.28 71.31,28.28 v1(70.61,28.98) ; 34.02,9.23 33.21,9.23 v1(32.51,9.93) ; 34.02,9.23 34.02,8.3 33.43,7.71 24.9,7.71 23.85,8.76 23.85,8.77 23.51,9.11 23.03,9.11 22.99,9.08 22.77,9.08 21.9,9.95 20.36,9.95 17.94,7.53 16.5,7.53 15.82,6.85 14.97,6.85 ; 72.12,47.33 71.31,47.33 v1(70.61,48.03) ; 72.12,9.23 71.31,9.23 v1(70.61,9.93) ; 14.97,6.85 14.16,6.85 v1(13.46,7.55) ; v1(13.46,64.7) 14.16,64 14.97,64 ; 1.27,64.67 1.31,64.72 2.85,64.72 3.72,63.84 3.94,63.84 3.98,63.88 4.46,63.88 4.8,63.54 4.8,63.53 5.85,62.48 14.38,62.48 14.97,63.07 14.97,64
  Bottom w0.254: J1#9.14 50.38,39.53 50.56,39.72 51.76,39.72 52.55,38.93 52.55,36.06 52.42,35.93 52.42,33.45 51.56,32.59 v1(51.56,31.36) ; J1#8.14 69.43,37.15 69.61,37.34 70.81,37.34 71.6,36.55 71.6,33.68 71.47,33.55 71.47,31.07 70.61,30.21 v1(70.61,28.98) ; v1(13.46,26.6) 13.46,27.83 14.32,28.69 14.32,31.17 14.45,31.3 14.45,34.17 13.66,34.95 12.46,34.95 12.27,34.77 12.27,34.29 ; J1#5.14 31.33,37.15 31.51,37.34 32.71,37.34 33.5,36.55 33.5,33.68 33.37,33.55 33.37,31.07 32.51,30.21 v1(32.51,28.98) ; J1#19.14 88.47,15.72 88.66,15.9 89.86,15.9 90.65,15.12 90.65,12.25 90.52,12.12 90.52,9.64 89.66,8.78 v1(89.66,7.55) ; J1#12.14 31.33,75.25 31.51,75.44 32.71,75.44 33.5,74.65 33.5,71.78 33.37,71.65 33.37,69.17 32.51,68.31 v1(32.51,67.08) ; v1(13.46,7.55) 13.46,8.78 14.32,9.64 14.32,12.12 14.45,12.25 14.45,15.12 13.66,15.9 12.46,15.9 12.27,15.72 12.27,15.24 ; J1#18.14 88.47,53.82 88.66,54 89.86,54 90.65,53.22 90.65,50.35 90.52,50.22 90.52,47.74 89.66,46.88 v1(89.66,45.65) ; J1#16.14 50.38,20.48 50.56,20.67 51.76,20.67 52.55,19.88 52.55,17.01 52.42,16.88 52.42,14.4 51.56,13.54 v1(51.56,12.31) ; v1(51.56,69.46) 51.56,70.69 52.42,71.55 52.42,74.03 52.55,74.16 52.55,77.03 51.76,77.82 50.56,77.82 50.38,77.63 J1#4.14 ; v1(32.51,9.93) 32.51,11.16 33.37,12.02 33.37,14.5 33.5,14.63 33.5,17.5 32.71,18.29 31.51,18.29 31.33,18.1 J1#10.14 ; v1(70.61,9.93) 70.61,11.16 71.47,12.02 71.47,14.5 71.6,14.63 71.6,17.5 70.81,18.29 69.61,18.29 69.43,18.1 J1#13.14 ; v1(70.61,67.08) 70.61,68.31 71.47,69.17 71.47,71.65 71.6,71.78 71.6,74.65 70.81,75.44 69.61,75.44 69.43,75.25 J1#17.14 ; J1#3.14 50.38,58.58 50.56,58.77 51.76,58.77 52.55,57.98 52.55,55.11 52.42,54.98 52.42,52.5 51.56,51.64 v1(51.56,50.41) ; 12.27,72.39 12.27,72.87 12.46,73.05 13.66,73.05 14.45,72.27 14.45,69.4 14.32,69.27 14.32,66.79 13.46,65.93 v1(13.46,64.7) ; v1(13.46,45.65) 13.46,46.88 14.32,47.74 14.32,50.22 14.45,50.35 14.45,53.22 13.66,54 12.46,54 12.27,53.82 12.27,53.34 ; v1(89.66,64.7) 89.66,65.93 90.52,66.79 90.52,69.27 90.65,69.4 90.65,72.27 89.86,73.05 88.66,73.05 88.47,72.87 J1#6.14 ; v1(70.61,48.03) 70.61,49.26 71.47,50.12 71.47,52.6 71.6,52.73 71.6,55.6 70.81,56.39 69.61,56.39 69.43,56.2 J1#2.14 ; v1(89.66,26.6) 89.66,27.83 90.52,28.69 90.52,31.17 90.65,31.3 90.65,34.17 89.86,34.95 88.66,34.95 88.47,34.77 J1#14.14 ; J1#20.14 31.33,56.2 31.51,56.39 32.71,56.39 33.5,55.6 33.5,52.73 33.37,52.6 33.37,50.12 32.51,49.26 v1(32.51,48.03)
CS2:
  vias: v1(21.55,72) v1(21.55,52.95) v1(21.55,33.9) v1(21.55,14.85) v1(35.37,72.35) v1(35.37,53.3) v1(35.37,34.25) v1(35.37,15.2) v1(40.6,74.38) v1(40.6,55.33) v1(40.6,36.28) v1(40.6,17.23) v1(54.42,74.73) v1(54.42,55.68) v1(54.42,36.63) v1(54.42,17.58) v1(59.65,72) v1(59.65,52.95) v1(59.65,33.9) v1(59.65,14.85) v1(73.47,72.35) v1(73.47,53.3) v1(73.47,34.25) v1(73.47,15.2)
CS3: length 839.8
  Top w0.254: v1(21.63,32.94) 22.33,33.64 25.01,33.64 25.1,33.73 27.02,33.73 28.15,32.59 29.72,32.59 30.21,32.1 34.62,32.1 v1(34.95,32.43) ; 21.55,72 21.69,72.15 24.84,72.15 24.95,72.26 27.25,72.26 28.41,71.1 29.89,71.1 30.33,70.65 33.11,70.65 34.81,72.35 35.37,72.35 ; v1(92.52,12.82) 91.96,12.82 90.26,11.12 87.48,11.12 87.04,11.56 85.56,11.56 84.4,12.73 82.1,12.73 81.99,12.62 78.84,12.62 v1(78.7,12.47) ; v1(78.7,50.57) 78.84,50.72 81.99,50.72 82.1,50.83 84.4,50.83 85.56,49.66 87.04,49.66 87.48,49.22 90.26,49.22 91.96,50.92 v1(92.52,50.92) ; v1(16.32,31.87) 15.76,31.87 14.06,30.17 11.28,30.17 10.84,30.61 9.36,30.61 8.2,31.78 5.9,31.78 5.79,31.67 2.64,31.67 v1(2.5,31.52) ; 40.6,36.28 40.74,36.43 43.89,36.43 44,36.54 46.3,36.54 47.46,35.38 48.94,35.38 49.38,34.93 52.16,34.93 53.86,36.63 54.42,36.63 ; v1(40.64,73.36) 41.41,74.12 44.06,74.12 44.15,74.21 46.07,74.21 47.2,73.07 48.77,73.07 49.26,72.58 53.67,72.58 v1(54,72.91) ; v1(40.64,16.21) 41.41,16.97 44.06,16.97 44.15,17.06 46.07,17.06 47.2,15.92 48.77,15.92 49.26,15.43 53.67,15.43 v1(54,15.76) ; v1(21.63,71.04) 22.33,71.74 25.01,71.74 25.1,71.83 27.02,71.83 28.15,70.69 29.72,70.69 30.21,70.2 34.62,70.2 v1(34.95,70.53) ; v1(92.1,68.15) 91.77,67.82 87.36,67.82 86.87,68.31 85.3,68.31 84.17,69.45 82.25,69.45 82.16,69.36 79.27,69.36 v1(78.77,68.86) ; v1(92.52,31.87) 91.96,31.87 90.26,30.17 87.48,30.17 87.04,30.61 85.56,30.61 84.4,31.78 82.1,31.78 81.99,31.67 78.84,31.67 v1(78.7,31.52) ; 59.65,33.9 59.79,34.05 62.94,34.05 63.05,34.16 65.35,34.16 66.51,33 67.99,33 68.43,32.55 71.21,32.55 72.91,34.25 73.47,34.25 ; v1(78.77,30.76) 79.27,31.26 82.16,31.26 82.25,31.35 84.17,31.35 85.3,30.21 86.87,30.21 87.36,29.72 91.77,29.72 v1(92.1,30.05) ; 54.42,17.58 53.86,17.58 52.16,15.88 49.38,15.88 48.94,16.33 47.46,16.33 46.3,17.49 44,17.49 43.89,17.38 40.74,17.38 40.6,17.23 ; 35.37,15.2 34.81,15.2 33.11,13.5 30.33,13.5 29.89,13.95 28.41,13.95 27.25,15.11 24.95,15.11 24.84,15 21.69,15 21.55,14.85 ; v1(54,34.81) 53.67,34.48 49.26,34.48 48.77,34.97 47.2,34.97 46.07,36.11 44.15,36.11 44.06,36.02 41.41,36.02 v1(40.64,35.26) ; 35.37,34.25 34.81,34.25 33.11,32.55 30.33,32.55 29.89,33 28.41,33 27.25,34.16 24.95,34.16 24.84,34.05 21.69,34.05 21.55,33.9 ; v1(59.72,14.09) 60.22,14.59 63.11,14.59 63.2,14.68 65.12,14.68 66.25,13.54 67.82,13.54 68.31,13.05 72.69,13.05 v1(73.04,13.4) ; v1(2.5,50.57) 2.64,50.72 5.79,50.72 5.9,50.83 8.2,50.83 9.36,49.66 10.84,49.66 11.28,49.22 14.06,49.22 15.76,50.92 v1(16.32,50.92) ; v1(92.1,49.1) 91.77,48.77 87.36,48.77 86.87,49.26 85.3,49.26 84.17,50.4 82.25,50.4 82.16,50.31 79.27,50.31 v1(78.77,49.81) ; v1(73.04,51.5) 72.69,51.15 68.31,51.15 67.82,51.64 66.25,51.64 65.12,52.78 63.2,52.78 63.11,52.69 60.22,52.69 v1(59.72,52.19) ; v1(15.9,49.1) 15.57,48.77 11.16,48.77 10.67,49.26 9.1,49.26 7.97,50.4 6.05,50.4 5.96,50.31 3.07,50.31 v1(2.57,49.81) ; 54.42,55.68 53.86,55.68 52.16,53.98 49.38,53.98 48.94,54.43 47.46,54.43 46.3,55.59 44,55.59 43.89,55.48 40.74,55.48 40.6,55.33 ; v1(21.63,51.99) 22.33,52.69 25.01,52.69 25.1,52.78 27.02,52.78 28.15,51.64 29.72,51.64 30.21,51.15 34.62,51.15 v1(34.95,51.48) ; v1(15.9,11) 15.57,10.67 11.16,10.67 10.67,11.16 9.1,11.16 7.97,12.3 6.05,12.3 5.96,12.21 3.07,12.21 v1(2.57,11.71) ; v1(73.04,70.55) 72.69,70.2 68.31,70.2 67.82,70.69 66.25,70.69 65.12,71.83 63.2,71.83 63.11,71.74 60.22,71.74 v1(59.72,71.24) ; v1(40.64,54.31) 41.41,55.07 44.06,55.07 44.15,55.16 46.07,55.16 47.2,54.02 48.77,54.02 49.26,53.53 53.67,53.53 v1(54,53.86) ; 21.55,52.95 21.69,53.1 24.84,53.1 24.95,53.21 27.25,53.21 28.41,52.05 29.89,52.05 30.33,51.6 33.11,51.6 34.81,53.3 35.37,53.3 ; 59.65,14.85 59.79,15 62.94,15 63.05,15.11 65.35,15.11 66.51,13.95 67.99,13.95 68.43,13.5 71.21,13.5 72.91,15.2 73.47,15.2 ; v1(59.72,33.14) 60.22,33.64 63.11,33.64 63.2,33.73 65.12,33.73 66.25,32.59 67.82,32.59 68.31,32.1 72.69,32.1 v1(73.04,32.45) ; v1(2.5,69.62) 2.64,69.77 5.79,69.77 5.9,69.88 8.2,69.88 9.36,68.71 10.84,68.71 11.28,68.27 14.06,68.27 15.76,69.97 v1(16.32,69.97) ; v1(92.52,69.97) 91.96,69.97 90.26,68.27 87.48,68.27 87.04,68.71 85.56,68.71 84.4,69.88 82.1,69.88 81.99,69.77 78.84,69.77 v1(78.7,69.62) ; 73.47,72.35 72.91,72.35 71.21,70.65 68.43,70.65 67.99,71.1 66.51,71.1 65.35,72.26 63.05,72.26 62.94,72.15 59.79,72.15 59.65,72 ; v1(16.32,12.82) 15.76,12.82 14.06,11.12 11.28,11.12 10.84,11.56 9.36,11.56 8.2,12.73 5.9,12.73 5.79,12.62 2.64,12.62 v1(2.5,12.47) ; v1(15.9,30.05) 15.57,29.72 11.16,29.72 10.67,30.21 9.1,30.21 7.97,31.35 6.05,31.35 5.96,31.26 3.07,31.26 v1(2.57,30.76) ; v1(15.9,68.15) 15.57,67.82 11.16,67.82 10.67,68.31 9.1,68.31 7.97,69.45 6.05,69.45 5.96,69.36 3.07,69.36 v1(2.57,68.86) ; 40.6,74.38 40.74,74.53 43.89,74.53 44,74.64 46.3,74.64 47.46,73.48 48.94,73.48 49.38,73.03 52.16,73.03 53.86,74.73 54.42,74.73 ; v1(21.63,13.89) 22.33,14.59 25.01,14.59 25.1,14.68 27.02,14.68 28.15,13.54 29.72,13.54 30.21,13.05 34.62,13.05 v1(34.95,13.38) ; 59.65,52.95 59.79,53.1 62.94,53.1 63.05,53.21 65.35,53.21 66.51,52.05 67.99,52.05 68.43,51.6 71.21,51.6 72.91,53.3 73.47,53.3 ; v1(78.77,11.71) 79.27,12.21 82.16,12.21 82.25,12.3 84.17,12.3 85.3,11.16 86.87,11.16 87.36,10.67 91.77,10.67 v1(92.1,11)